# Altium PCB ESP32-SIM800C_KIEN.PcbDoc (part 1 of 2)
Units mm, origin at the board's own origin, x right, y up, seen from the top; angles counter-clockwise.
Board outline 122.45 x 88.5 mm, 4 copper layers (Top Layer, Int1 (GND), Int2 (PWR), Bottom Layer), stack 1.369 mm thick; 148 components, 93 nets, 483 pads, 250 vias.
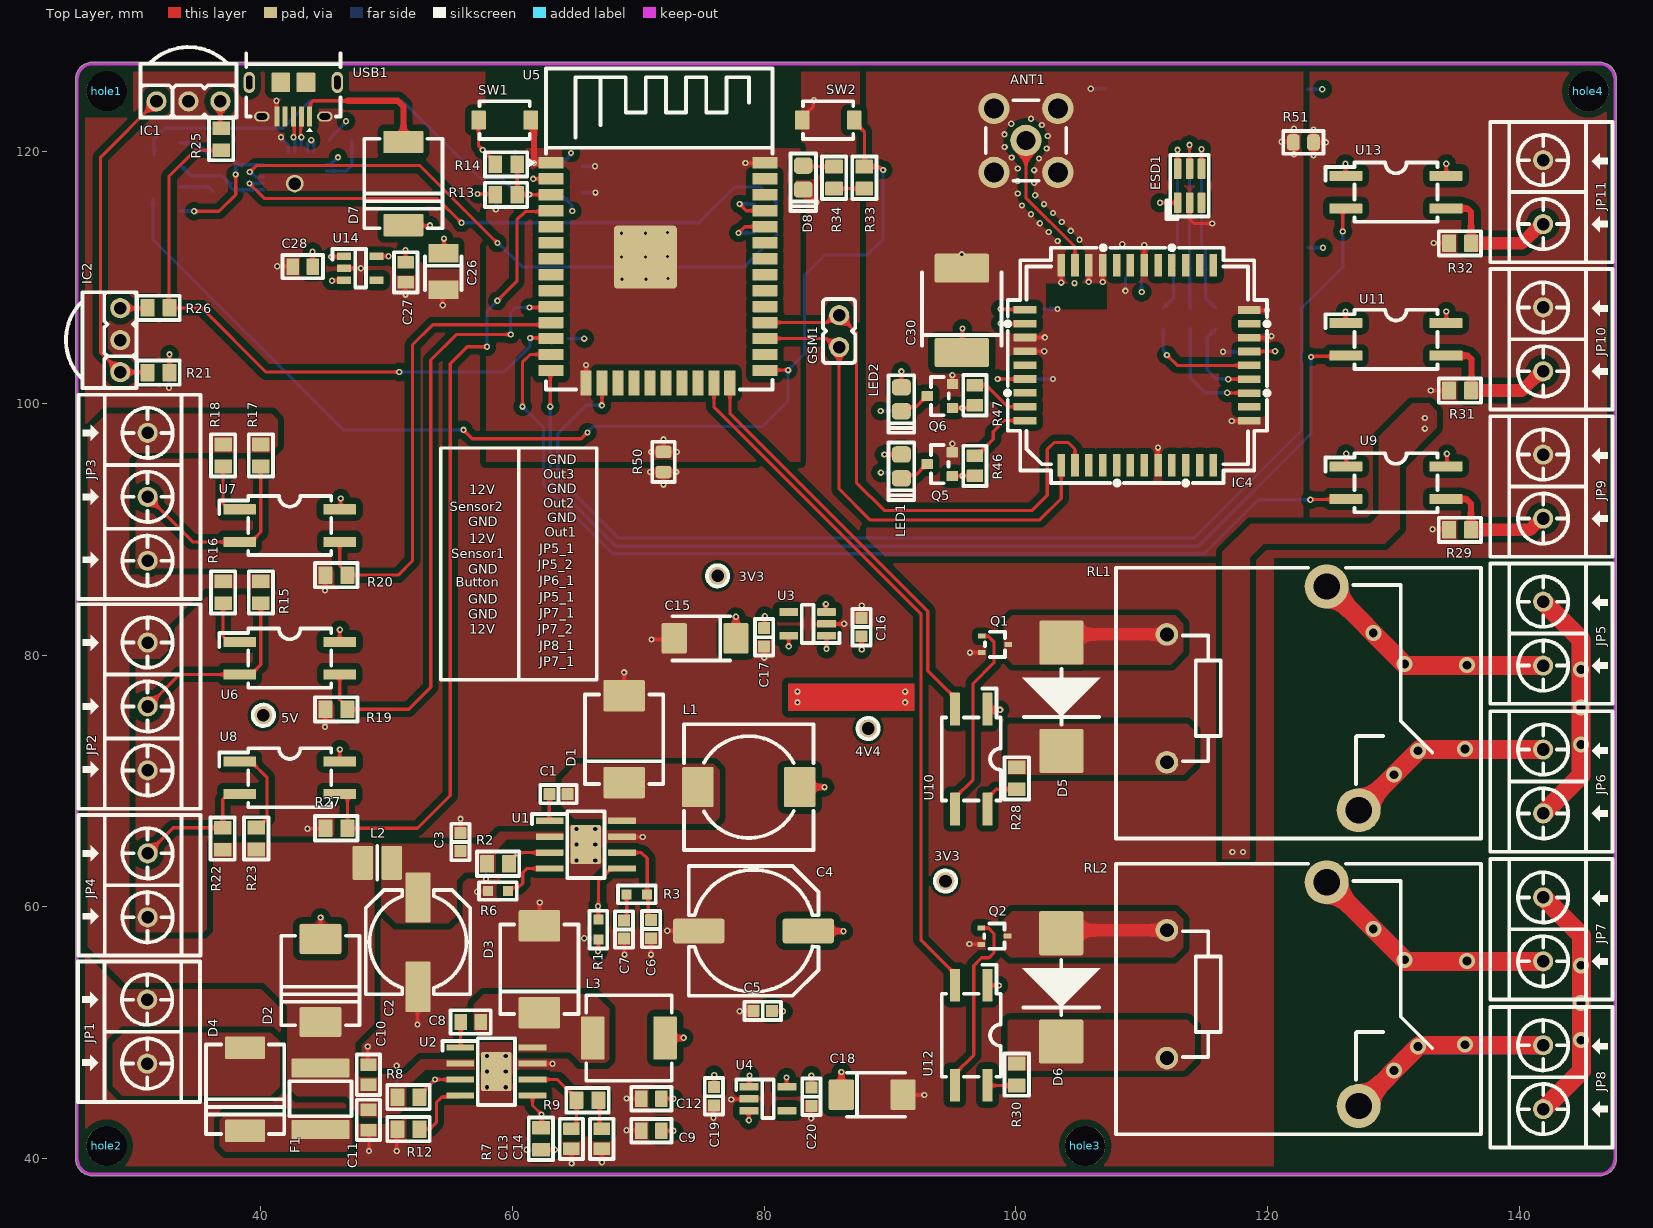
[diagram p0: Top Layer view]
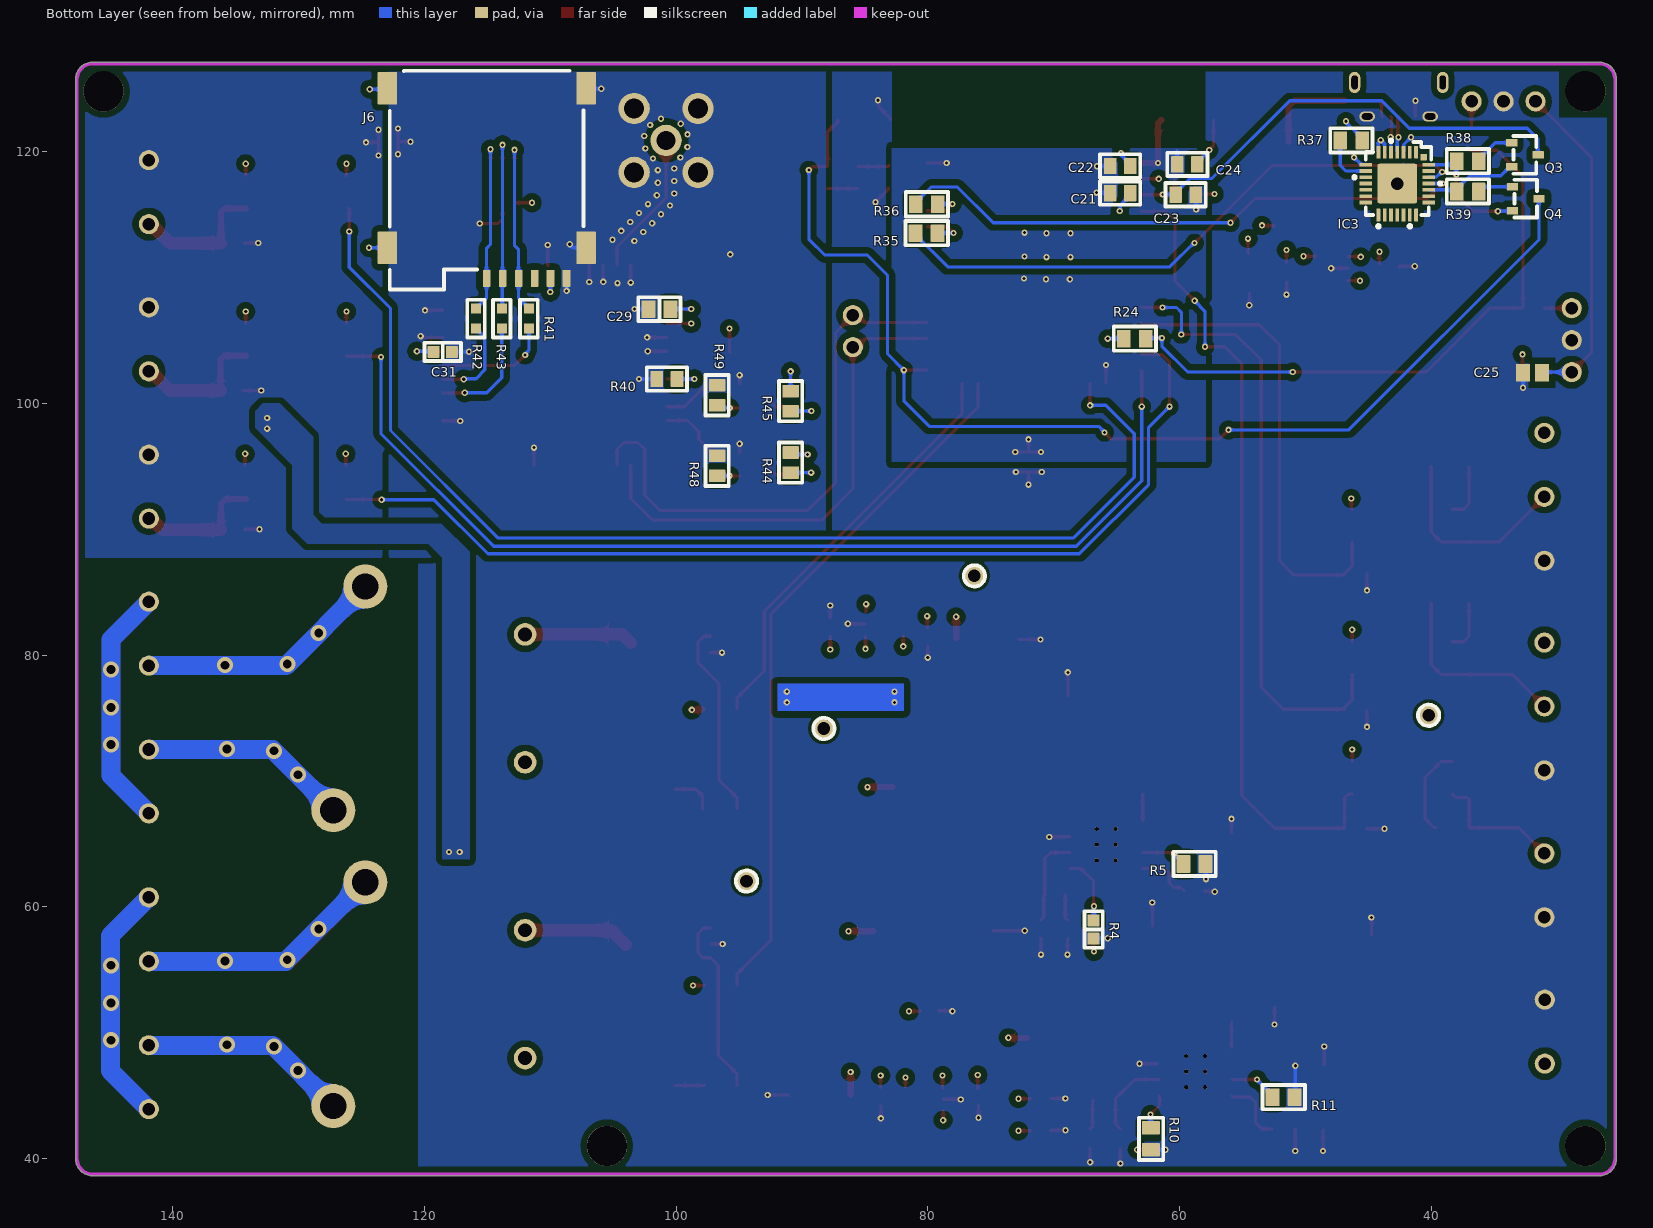
[diagram p1: Bottom Layer view, seen from below]
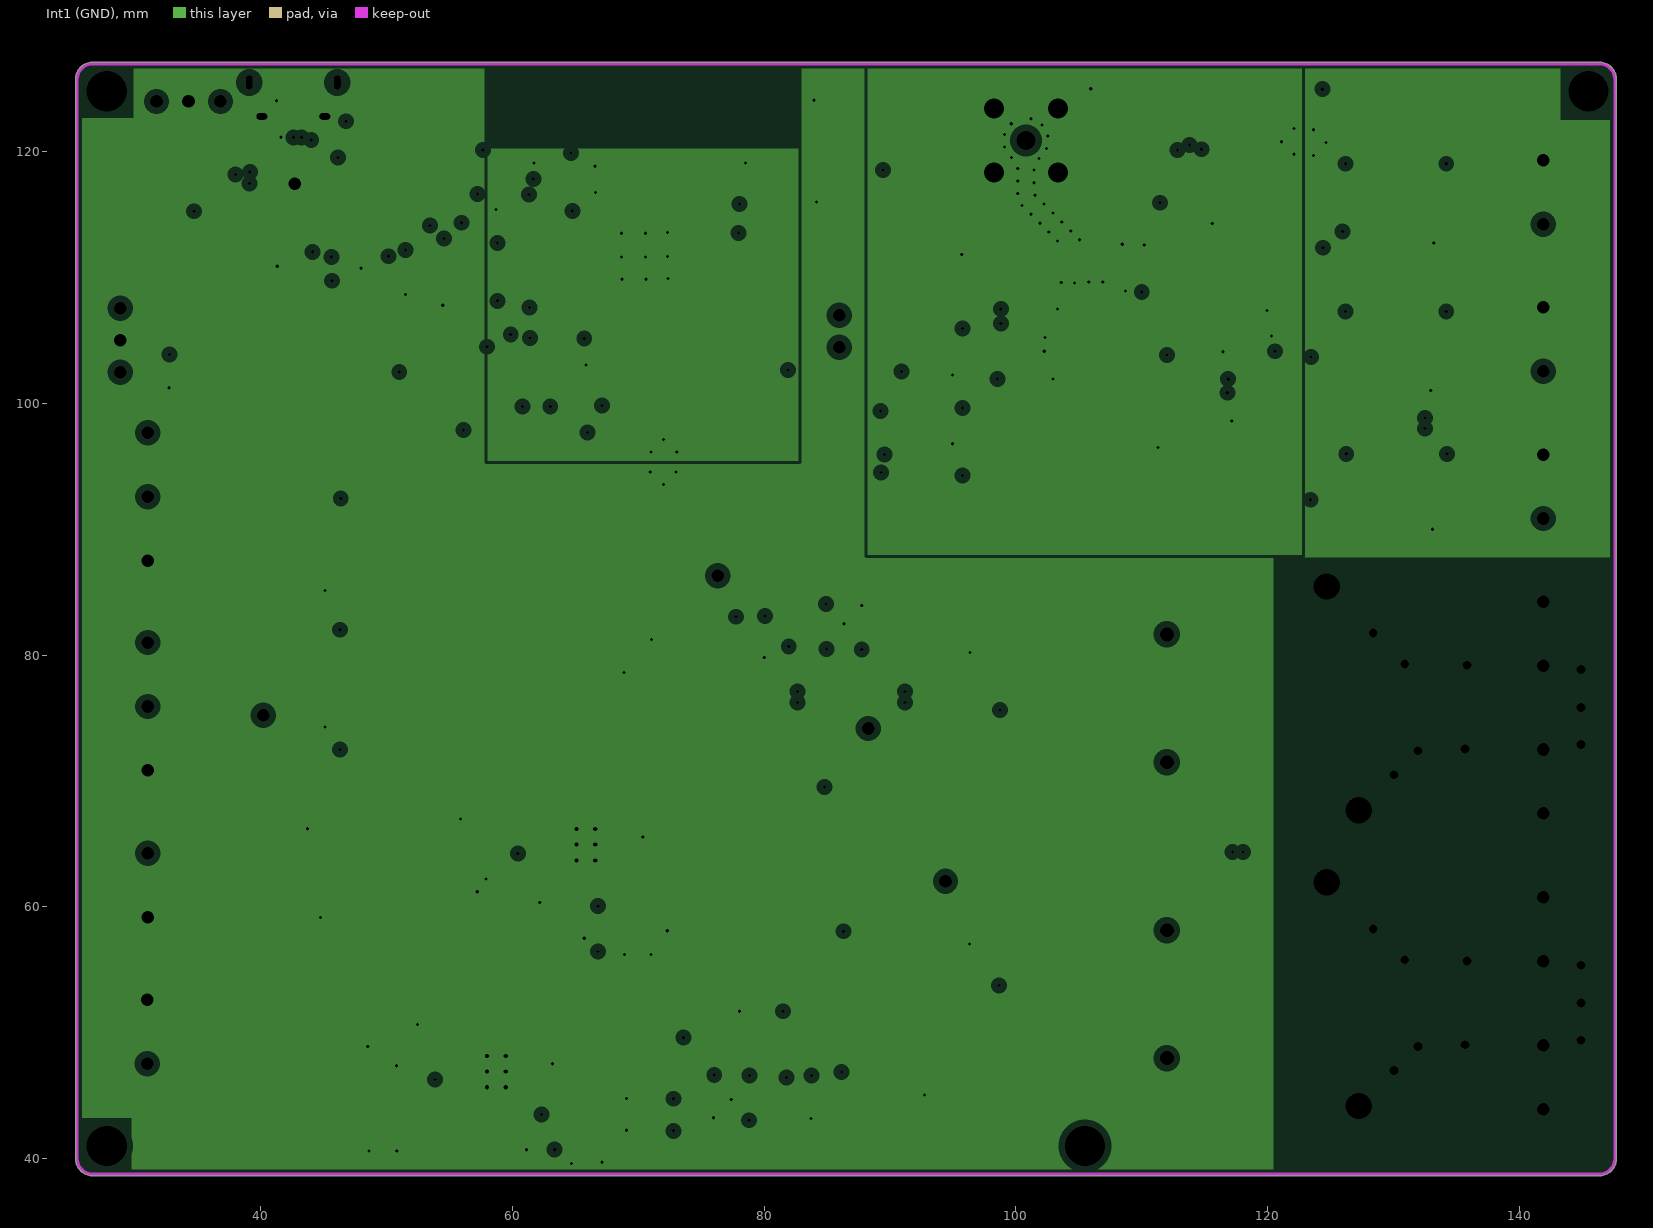
[diagram p2: Int1 (GND), clearances drawn from the general rule]
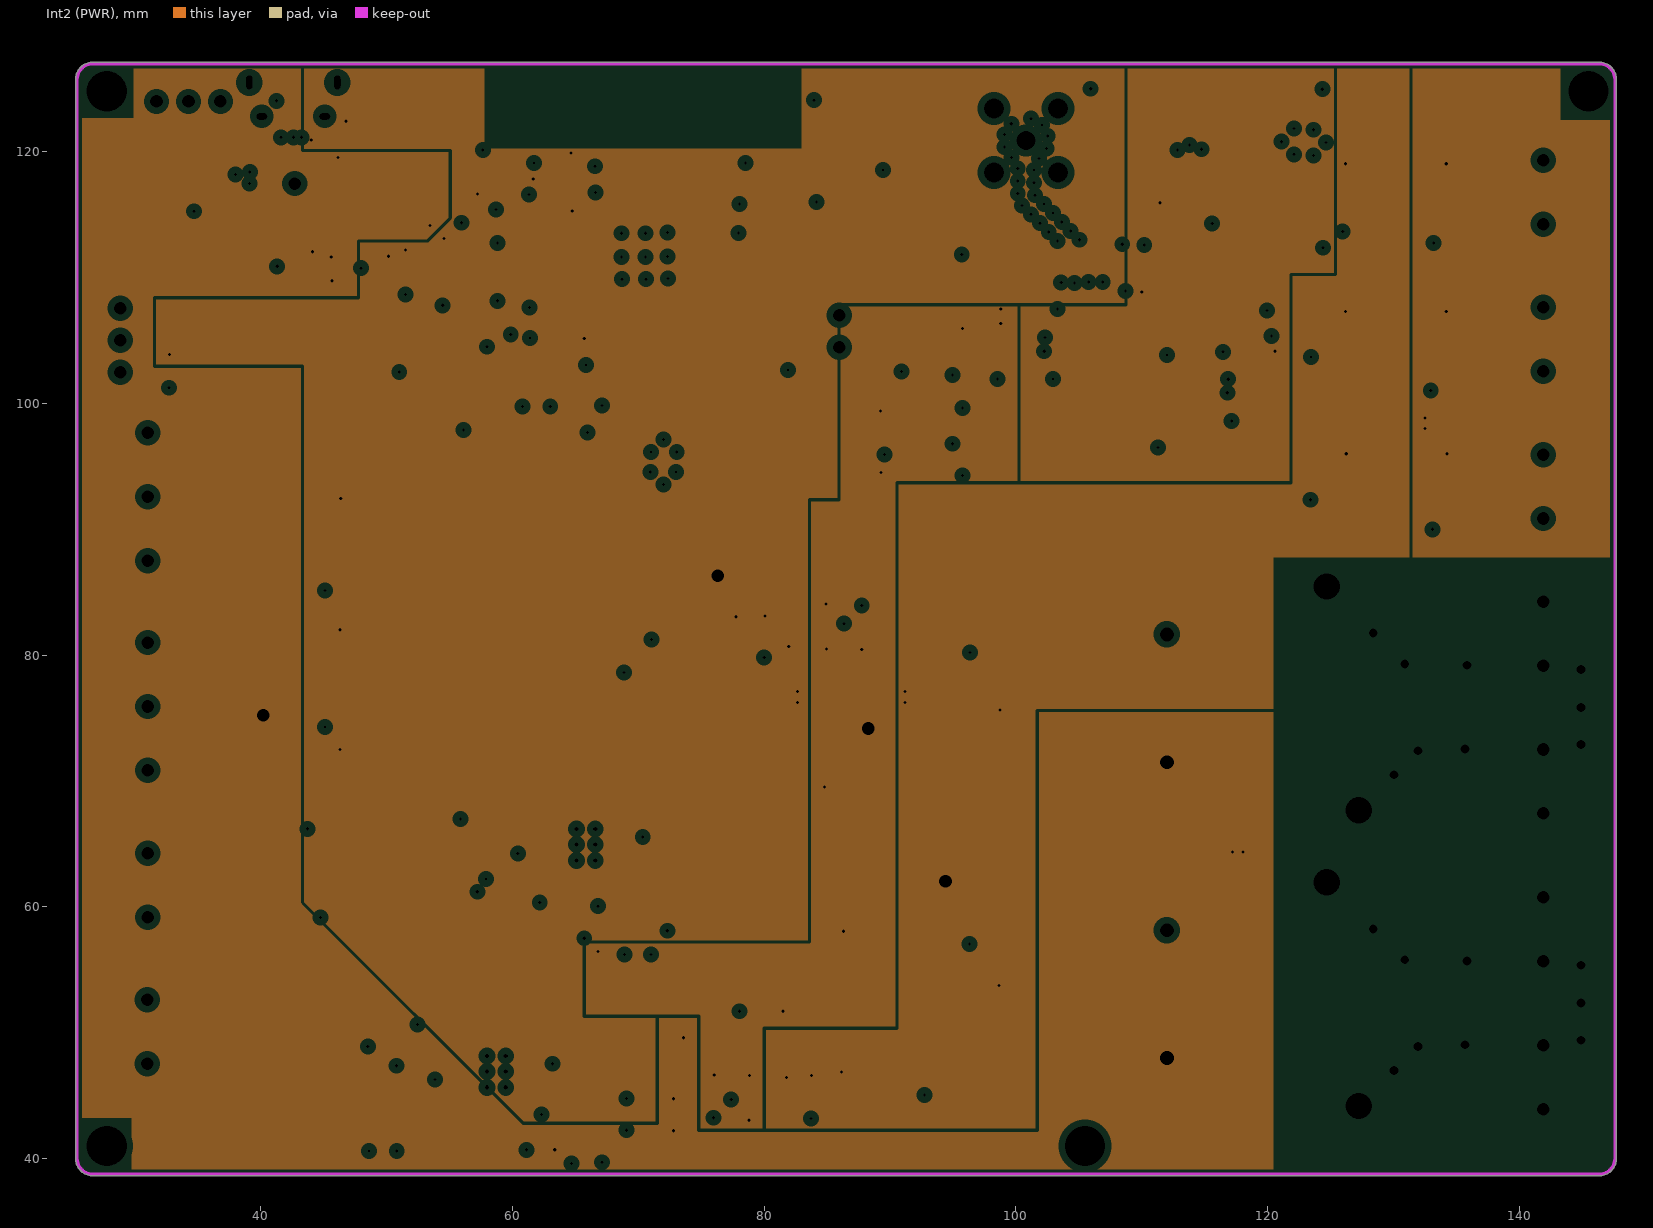
[diagram p3: Int2 (PWR), clearances drawn from the general rule]

## Layer stack, top to bottom
Top Solder: solder mask 0.0254, SM-001, Dk 4
Top Layer: signal copper 0.035
Dielectric 1: prepreg 0.1295, PP-017, Dk 4.3
Dielectric 2: prepreg 0.1295, PP-017, Dk 4.3
Int1 (GND): plane copper 0.035, net (Multiple Nets)
Dielectric 3: core 0.7112, Core-039, Dk 4.8
Int2 (PWR): plane copper 0.035, net 3.3V_ESP
Dielectric 4: prepreg 0.1295, PP-017, Dk 4.3
Dielectric 5: prepreg 0.1295, PP-017, Dk 4.3
Bottom Layer: signal copper 0.035
Bottom Solder: solder mask 0.0254, SM-001, Dk 4

## Board outline
26.67,38.623 cw(c26.67,40.02) 25.273,40.02 25.273,125.73 cw(c26.67,125.73) 26.67,127.127 146.33,127.127 cw(c146.33,125.73) 147.727,125.73 147.727,40.02 cw(c146.33,40.02) 146.33,38.623 145.75,38.623

## Design rules (kind name [scope] priority, off if disabled: settings)
Clearance Clearance_polygon [InPolygon] p1: gap=0.5 ignorepadtopadclearanceinfootprint=FALSE
Clearance [All] p2: gap=0.127 ignorepadtopadclearanceinfootprint=FALSE except(0: Arc-Hole Track-Hole SMDPad-Hole THPad-Hole Via-Hole Fill-Hole Poly-Hole Region-Hole Text-Hole)
DiffPairsRouting [All] p1: maxlimit=0.254 minlimit=0.254 mostfreqgap=0.254 toplayer_minwidth=0.254 toplayer_maxwidth=0.381 toplayer_prefwidth=0.381 bottomlayer_minwidth=0.254 bottomlayer_maxwidth=0.381 bottomlayer_prefwidth=0.381 maxuncoupledlength=12.7
HoleSize [All] p1: absolutevalues=TRUE maxlimit=3.2 minlimit=0.025 maxpercent=80.000 minpercent=20.000
MinimumSolderMaskSliver [All] p1: minsoldermaskwidth=0.1
PlaneClearance [All] p1: clearance=0.508
PlaneConnect [All] p1: planeconnectstyle=Direct reliefexpansion=0.508 reliefentries=4 reliefconductorwidth=0.254 reliefairgap=0.254
PolygonConnect [All] p1: connectstyle=Direct reliefconductorwidth=0.254 reliefentries=4 polygonreliefangle="90 Angle" airgapwidth=0.254
RoutingVias [All] p1: holewidth=0.711 width=1.27 viastyle="Through Hole" minholewidth=0.25 minwidth=0.5 maxholewidth=0.711 maxwidth=1.27
SilkToSolderMaskClearance [IsPad] p1: minsilkscreentomaskgap=0.1 clearancetoexposedcopper=TRUE
SolderMaskExpansion [All] p1: expansion=0.102 istentingtop=FALSE
Width [All] p1: maxlimit=2 minlimit=0.127 preferedwidth=0.254
24 further rules are at their usual default settings.

## Classes and differential pairs
component class Sheet1: L7 L8 R50 R51
component class Designator: ANT1 C29 C30 C31 ESD1 GSM1 IC4 J6 LED1 LED2 Q5 Q6 R40 R41 R42 R43 R44 R45 R46 R47 R48 R49 S1
differential pair USB: +USB_P -USB_N

## Components (designator, comment, footprint, x,y, rotation, side; value= is the part's Value field where it differs from the comment)
3V3 "TEST POINT" "TEST POINT 1mm" 76.3,86.3 r0 top (schematic designator J5)
3V3 "TEST POINT" "TEST POINT 1mm" 94.406,62.042 r0 top (schematic designator J3)
4V4 "TEST POINT" "TEST POINT 1mm" 88.254,74.169 r0 top (schematic designator J1)
5V "TEST POINT" "TEST POINT 1mm" 40.202,75.221 r0 top (schematic designator J2)
ANT1 "SMA ANTENNA" atenna_ra 100.8,120.9 r0 top
C1 "0.1uF/50V/C0603/10%" "Cap Ceramic 0603 SMD" 63.65,68.95 r0 top
C2 "100uF/50V/ALU/20%" "CAP ALU CASE F SMD" 52.487,57.196 r270 top
C3 "1uF/50V/C0603/10%" "Cap Ceramic 0603 SMD" 55.85,65.15 r270 top
C4 "330uF/50V/ALU/20% SMD" "CAP ALU CASE G SMD" 79.157,58.085 r180 top
C5 "0.1uF/50V/C0603/10%" "Cap Ceramic 0603 SMD" 79.882,51.735 r0 top
C6 "56pF/50V/C0603/5%" "Cap Ceramic 0603 SMD" 71.017,58.229 r90 top
C7 "10nF/50V/C0603/10%" "Cap Ceramic 0603 SMD" 68.858,58.192 r90 top
C8 "0.1uF/25V" CAP_CERA_C2012(CC0805INCH) 56.678,50.846 r180 top
C9 "47uF/10V" CAP_CERA_C2012(CC0805INCH) 71.029,42.21 r0 top
C10 "2.2uF/50V" CAP_CERA_C2012(CC0805INCH) 48.55,46.655 r270 top
C11 "2.2uF/50V" CAP_CERA_C2012(CC0805INCH) 48.55,43.061 r90 top
C12 "47uF/10V" CAP_CERA_C2012(CC0805INCH) 71.029,44.75 r0 top
C13 "39pF/50V" CAP_CERA_C2012(CC0805INCH) 64.679,41.567 r90 top
C14 "6800pF/25V" CAP_CERA_C2012(CC0805INCH) 67.092,41.567 r90 top
C15 "10uF/25V/TANTA C/10%" "CAP TANT CASE C SMD" 75.299,81.337 r180 top
C16 "0.1uF/50V/C0603/10%" "Cap Ceramic 0603 SMD" 87.745,82.226 r270 top
C17 "0.1uF/50V/C0603/10%" "Cap Ceramic 0603 SMD" 79.998,81.427 r90 top
C18 "10uF/25V/TANTA C/10%" "CAP TANT CASE C SMD" 88.579,45.07 r0 top
C19 "0.1uF/50V/C0603/10%" "Cap Ceramic 0603 SMD" 76.006,44.943 r90 top
C20 "0.1uF/50V/C0603/10%" "Cap Ceramic 0603 SMD" 83.753,44.906 r90 top
C21 "22uF/25V/C0805/10%" CAP_CERA_C2012(CC0805INCH) 64.711,116.713 r180 bottom
C22 "0.1uF/25V/C0805/10%" CAP_CERA_C2012(CC0805INCH) 64.711,118.872 r180 bottom
C23 "0.1uF/25V/C0805/10%" CAP_CERA_C2012(CC0805INCH) 59.504,116.586 r0 bottom
C24 "10uF/25V/C0805/10%" CAP_CERA_C2012(CC0805INCH) 59.377,118.999 r0 bottom
C25 "Cap Pol1" C0805 31.95,102.45 r0 bottom value=4.7uF/16V
C26 "10uF/25V/TANTA" "CAP TANT CASE B SMD" 54.505,110.49 r270 top
C27 "0.1uF/25V" CAP_CERA_C2012(CC0805INCH) 51.512,110.416 r90 top
C28 "0.1uF/25V" CAP_CERA_C2012(CC0805INCH) 43.329,110.871 r0 top
C29 "100nF/50V/0805" "Cap Ceramic 0805 SMD" 101.326,107.495 r0 bottom value=33p
C30 "220uF-Tan" "CAP TANT CASE E SMD" 95.7,107.4 r90 top
C31 "0.1uF/50V/C0603/10%" "Cap Ceramic 0603 SMD" 118.55,104.1 r180 bottom
D1 "2#B560C-13-F" "2# B560C" 68.87,73.325 r270 top
D2 "29# SMCJ36CA" "29# diode SMCJ36A" 44.74,54.148 r270 top
D3 "B560C-13-F" "2# B560C" 62.139,55.037 r270 top
D4 "SK56L-TP" "30# SK56L-TPMSCT-ND" 38.75,45.5 r270 top
D5 "SSC53L-E3/57T" SSC53L-E3/57T 103.619,76.694 r270 top
D6 "SSC53L-E3/57T" SSC53L-E3/57T 103.6,53.6 r270 top
D7 "SK56L-TP" "30# SK56L-TPMSCT-ND" 51.33,117.475 r270 top
D8 "GREEN 0805" "Led 0805G" 83.1,117.95 r270 top
ESD1 "36# ESDA6V1-5SC6" "36# ESDA6V1-5SC6" 112.85,116.15 r0 top
F1 "MF-SMDF050-2" "13# MF-SMDF050" 44.74,44.75 r90 top
GSM1 "Header 2" Header_2 85.95,105.75 r90 top
hole1 "Vit 3mm" "Screw 3.0" 27.75,124.8 r90 top
hole2 "Vit 3mm" "Screw 3.0" 27.75,41 r90 top
hole3 "Vit 3mm" "Screw 3.0" 105.5,41 r90 top
hole4 "Vit 3mm" "Screw 3.0" 145.5,124.8 r90 top
IC1 "TSOP1838" TSOP1838 34.25,124 r180 top
IC2 "TSOP1838" TSOP1838 28.829,105.029 r270 top
IC3 "CP2102-QFN28" CP2102-QFN28 42.694,117.475 r0 bottom
IC4 "SIM800C" SIM800C 109.638,103.027 r90 top
J6 "Micro SIM Push Connector" "9# SIM holder" 115.05,117.5 r0 bottom
JP1 "ED2609-ND" DOMINO_OSTTC_2P 30.969,50.081 r90 top value="Connector 2"
JP2 "ED2610-ND" DOMINO_OSTTC_3P 31,75.92 r90 top value="Connector 3"
JP3 "ED2610-ND" DOMINO_OSTTC_3P 31,92.58 r90 top value="Connector 3"
JP4 "ED2609-ND" DOMINO_OSTTC_2P 31,61.71 r90 top value="Connector 2"
JP5 "ED2609-ND" DOMINO_OSTTC_2P 141.9,81.71 r270 top value="Connector 2"
JP6 "ED2609-ND" DOMINO_OSTTC_2P 141.9,69.96 r270 top value="Connector 2"
JP7 "ED2609-ND" DOMINO_OSTTC_2P 141.9,58.21 r270 top value="Connector 2"
JP8 "ED2609-ND" DOMINO_OSTTC_2P 141.9,46.46 r270 top value="Connector 2"
JP9 "ED2609-ND" DOMINO_OSTTC_2P 141.9,93.395 r270 top value="Connector 2"
JP10 "ED2609-ND" DOMINO_OSTTC_2P 141.9,105.095 r270 top value="Connector 2"
JP11 "ED2609-ND" DOMINO_OSTTC_2P 141.9,116.795 r270 top value="Connector 2"
L1 "4#CLF10040T_150M" "4# clf10040XX" 78.776,69.515 r0 top
L2 "11#LQH32PN2R2NN0L" "11# LQH32PN2R2" 49.25,63.5 r0 top
L3 "ASPI-7318-8R2M-TCT-ND" ASPI-7318-8R2M-TCT-ND 69.251,49.576 r0 top
LED1 "LED?" "Led 0805R" 90.9,95 r270 top
LED2 "LED" "Led 0805R" 90.9,100.332 r270 top
Q1 "MCH3209-TL-E" "MCH3209-TL-E  SOT-323" 98.335,80.861 r270 top
Q2 "MCH3209-TL-E" "MCH3209-TL-E  SOT-323" 98.285,57.673 r270 top
Q3 "DTC143ZKAT146" "6# DTC143ZKAT146-E" 32.552,119.761 r270 bottom
Q4 "DTC143ZKAT146" "6# DTC143ZKAT146-E" 32.484,116.271 r270 bottom
Q5 "MMBT222A" MMBT2222A 93.949,95.175 r90 top
Q6 "MMBT222A" MMBT2222A 93.965,100.591 r90 top
R1 "15K/R0603/1%" "Res 0603 SMD" 66.826,58.192 r270 top
R2 "249K/R0805/1%" "Res 0805 SMD" 58.851,63.419 r180 top
R3 "15K/R0603/1%" "Res 0603 SMD" 69.874,60.986 r0 top
R4 "3.3K/R0603/1%" "Cap Ceramic 0603 SMD" 66.826,58.192 r90 bottom
R5 "34.8K/R0805/1%" "Res 0805 SMD" 58.8,63.4 r0 bottom
R6 "200K/R0603/1%" "Res 0603 SMD" 58.837,61.26 r180 top
R7 "53.6K" "Res 0805 SMD" 62.266,41.567 r270 top
R8 "523K" "Res 0805 SMD" 51.725,44.877 r180 top
R9 "13K" "Res 0805 SMD" 65.949,44.623 r180 top
R10 "10.2K" "Res 0805 SMD" 62.266,41.567 r90 bottom
R11 "84.5K" "Res 0805 SMD" 51.725,44.877 r0 bottom
R12 "162K/R0805" "Res 0805 SMD" 51.725,42.337 r180 top
R13 "10K/R0805/1%" "Res 0805 SMD" 59.504,116.586 r0 top
R14 "0R/R0805/1%" "Res 0805 SMD" 59.504,118.999 r0 top
R15 "10K" "Res 0805 SMD" 40,85 r90 top
R16 "1K" "Res 0805 SMD" 37,85 r90 top
R17 "10K" "Res 0805 SMD" 40,95.875 r90 top
R18 "1K" "Res 0805 SMD" 37,95.875 r90 top
R19 "10K" "Res 0805 SMD" 46,75.699 r0 top
R20 "10K" "Res 0805 SMD" 46,86.36 r0 top
R21 "330" "Res 0805 SMD" 31.875,102.45 r0 top
R22 "10K" "Res 0805 SMD" 36.971,65.414 r270 top
R23 "1K" "Res 0805 SMD" 39.638,65.428 r270 top
R24 "10K" "Res 0805 SMD" 63.55,105.15 r0 bottom
R25 "0R" "Res 0805 SMD" 36.85,121 r270 top
R26 "0R" "Res 0805 SMD" 31.875,107.6 r0 top
R27 "10K" "Res 0805 SMD" 46,66.25 r0 top
R28 "10K" "Res 0805 SMD" 100.063,70.217 r90 top
R29 "10K" "Res 0805 SMD" 135.296,89.966 r0 top
R30 "10K" "Res 0805 SMD" 100.063,46.675 r90 top
R31 "10K" "Res 0805 SMD" 135.296,101.031 r0 top
R32 "10K" "Res 0805 SMD" 135.296,112.731 r0 top
R33 "10K" "Res 0805 SMD" 87.963,117.945 r90 top
R34 "1K" "Res 0805 SMD" 85.55,117.945 r90 top
R35 "1K" "Res 0805 SMD" 80.092,113.538 r0 bottom
R36 "1K" "Res 0805 SMD" 80.078,115.824 r0 bottom
R37 "4.7K" "Res 0805 SMD" 46.35,120.9 r0 bottom
R38 "10K" "Res 0805 SMD" 37.09,119.253 r0 bottom
R39 "10K" "Res 0805 SMD" 37.09,116.84 r0 bottom
R40 "10k/0805" RESC2012(0805)#1 100.727,101.943 r0 bottom
R41 "51R/R0603/1%" "Res 0603 SMD" 111.7,106.75 r90 bottom
R42 "51R/R0603/1%" "Res 0603 SMD" 115.9,106.75 r90 bottom
R43 "51R/R0603/1%" "Res 0603 SMD" 113.85,106.75 r90 bottom
R44 "R0805" RESC2012(0805)#1 90.901,95.302 r90 bottom value=330/0805
R45 "R0805" RESC2012(0805)#1 90.901,100.182 r90 bottom value=330/0805
R46 "R0805" RESC2012(0805)#1 96.743,95.048 r270 top value=4.7k/0805
R47 "R0805" RESC2012(0805)#1 96.743,100.652 r270 top value=4.7k/0805
R48 "R0805" RESC2012(0805)#1 96.743,95.048 r90 bottom value=47k/0805
R49 "R0805" RESC2012(0805)#1 96.743,100.652 r90 bottom value=47k/0805
R50 "0" RESC2012(0805)#2 72,95.35 r90 top
R51 "0" RESC2012(0805)#2 122.85,120.75 r180 top
RL1 "Relay T9GV1L14-5 30A 5V" "Relay T9GV1L14-5 30A 5V" 123.427,76.567 r270 top
RL2 "Relay T9GV1L14-5 30A 5V" "Relay T9GV1L14-5 30A 5V" 123.427,53.06 r270 top
SW1 "RST" "Button 3x4mm" 59.377,122.517 r180 top
SW2 "FLASH" "Button 3x4mm" 85.085,122.517 r180 top
U1 "21#TPS54360DDAR" "21# TPS54360" 65.822,64.943 r270 top
U2 "TPS54360DDAR" "21# TPS54360" 58.71,46.909 r270 top
U3 "20#TLV73333PDBVR" "TLV73333PDBVR - SOT23-65" 83.451,82.48 r90 top
U4 "20#TLV73333PDBVR" "TLV73333PDBVR - SOT23-65" 80.3,44.75 r270 top
U5 "ESP-WROOM-32" "ESP32 WROOM" 63.06,119.126 r0 top
U6 "TPC817S1B-SOP4" TPC817-4SOP 42.295,79.763 r0 top
U7 "PC817-SOP4" TPC817-4SOP 42.295,90.297 r0 top
U8 "PC817-SOP4" TPC817-4SOP 42.295,70.254 r0 top
U9 "TPC817S1B-SOP4" TPC817-4SOP 130.2,93.7 r0 top